# Altium PCB Fastino-DIOT.PCBDOC (part 2 of 22)
Units mm, origin at the board's own origin, x right, y up, seen from the top; angles counter-clockwise.
Board outline 222.63 x 100.1 mm, 8 copper layers (L1, L2, L3, P4, L5, L6, P7, L8), stack 1.563 mm thick; 1030 components, 787 nets, 3312 pads, 2498 vias.
Unrouted connection lines stored in the file: 424.
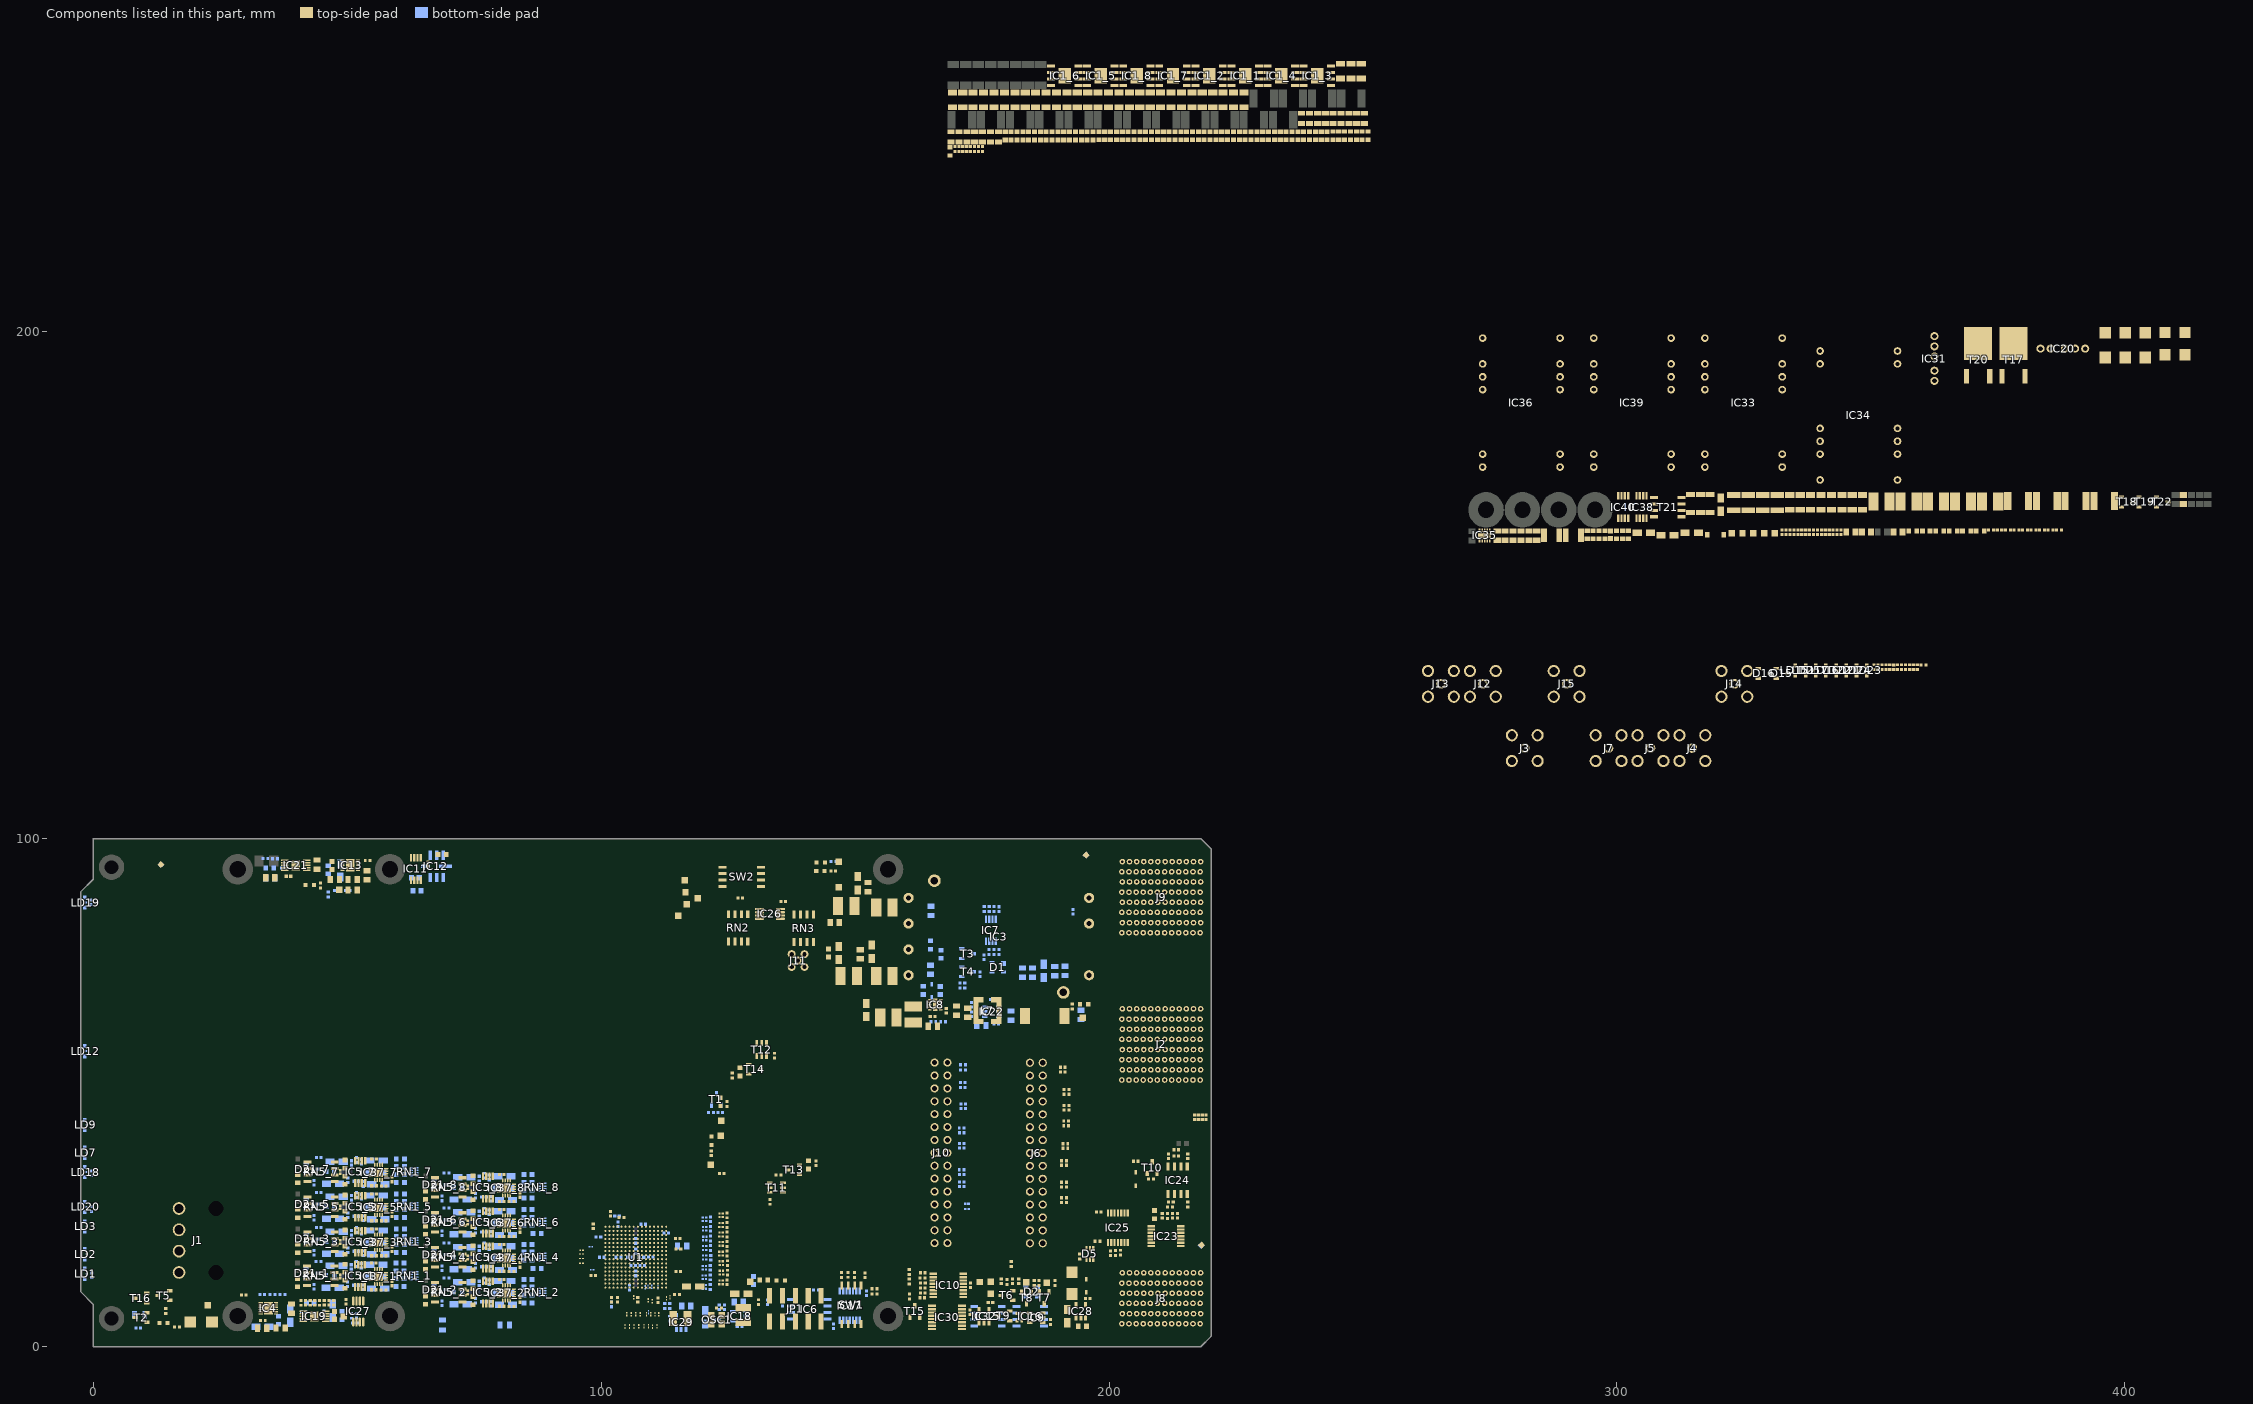
[diagram p8: the components of this part, seen from the top]

## Components (designator, comment, footprint, x,y, rotation, side; value= is the part's Value field where it differs from the comment) (continued)
C129 "4.7uF" CAPC1608X80N 360.932,160.635 r0 top
C130 "4.7uF" CAPMP3216X180N 305.33,160.285 r180 top
C131 "4.7uF" CAPC1005X55N 375.377,160.825 r180 top
C132 "470nF" CAPC4532X185N 390.343,166.537 r0 top
C133 "470nF" CAPC4532X185N 379.039,166.537 r0 top
C134 "10uF" CAPMP6032X280N 400.15,197.213 r90 top
C135 "47uF" CAPC3225X270N 325.913,166.212 r90 top
C136 "4.7nF" CAPC2012X135N 276.467,159.71 r90 top
C137 "47uF" CAPC3225X270N 323.061,166.212 r90 top
C138_1 "10uF" CAPMP3216X180N 56.054,11.445 r180 bottom (schematic designator C138)
C138_2 "10uF" CAPMP3216X180N 81.259,8.204 r180 bottom (schematic designator C138)
C138_3 "10uF" CAPMP3216X180N 56.108,18.164 r180 bottom (schematic designator C138)
C138_4 "10uF" CAPMP3216X180N 81.259,15.091 r180 bottom (schematic designator C138)
C138_5 "10uF" CAPMP3216X180N 56.108,25.05 r180 bottom (schematic designator C138)
C138_6 "10uF" CAPMP3216X180N 81.259,21.977 r180 bottom (schematic designator C138)
C138_7 "10uF" CAPMP3216X180N 56.108,31.937 r180 bottom (schematic designator C138)
C138_8 "10uF" CAPMP3216X180N 81.259,28.864 r180 bottom (schematic designator C138)
C139 "10uF" CAPC1608X80N 42.697,8.56 r0 bottom
C140 "10uF" CAPC1608X80N 47.477,6.126 r90 top
C141 "10uF" CAPMP3216X180N 47.125,7.052 r90 bottom
C142_1 "100nF" CAPC1005X55N 53.086,11.666 r90 bottom (schematic designator C142)
C142_2 "100nF" CAPC1005X55N 78.292,8.425 r90 bottom (schematic designator C142)
C142_3 "100nF" CAPC1005X55N 53.141,18.384 r90 bottom (schematic designator C142)
C142_4 "100nF" CAPC1005X55N 78.292,15.312 r90 bottom (schematic designator C142)
C142_5 "100nF" CAPC1005X55N 53.141,25.271 r90 bottom (schematic designator C142)
C142_6 "100nF" CAPC1005X55N 78.292,22.198 r90 bottom (schematic designator C142)
C142_7 "100nF" CAPC1005X55N 53.137,32.029 r90 bottom (schematic designator C142)
C142_8 "100nF" CAPC1005X55N 78.292,29.085 r90 bottom (schematic designator C142)
C143_1 "100nF" CAPC1005X55N 52.73,15.893 r90 bottom (schematic designator C143)
C143_2 "100nF" CAPC1005X55N 77.936,12.652 r90 bottom (schematic designator C143)
C143_3 "100nF" CAPC1005X55N 52.785,22.612 r90 bottom (schematic designator C143)
C143_4 "100nF" CAPC1005X55N 77.936,19.539 r90 bottom (schematic designator C143)
C143_5 "100nF" CAPC1005X55N 52.785,29.498 r90 bottom (schematic designator C143)
C143_6 "100nF" CAPC1005X55N 77.936,26.426 r90 bottom (schematic designator C143)
C143_7 "100nF" CAPC1005X55N 52.785,36.385 r90 bottom (schematic designator C143)
C143_8 "100nF" CAPC1005X55N 77.936,33.312 r90 bottom (schematic designator C143)
C144 "4.7nF" CAPC2012X135N 278.02,159.71 r90 top
C145 "100nF" CAPC1005X55N 340.296,160.375 r90 top
C146 "22uF" CAPC2012X135N 279.572,159.71 r90 top
C147 "100nF" CAPC1005X55N 341.068,160.375 r90 top
C148 "22uF" CAPC2012X135N 281.124,159.71 r90 top
C149 "1uF" CAPC1608X87N 63.729,89.764 r180 bottom
C150 "10uF" CAPMP6032X280N 404.076,197.213 r90 top
C151 "47uF" CAPC3225X270N 287.157,159.785 r0 top
C152 "100nF" CAPC1005X55N 49.759,8.814 r90 top
C153 "4.7nF" CAPC2012X135N 284.229,159.71 r90 top
C154_1 "100nF" CAPC1005X55N 50.775,15.665 r270 bottom (schematic designator C154)
C154_2 "100nF" CAPC1005X55N 75.98,12.424 r270 bottom (schematic designator C154)
C154_3 "100nF" CAPC1005X55N 50.829,22.383 r270 bottom (schematic designator C154)
C154_4 "100nF" CAPC1005X55N 75.98,19.31 r270 bottom (schematic designator C154)
C154_5 "100nF" CAPC1005X55N 50.829,29.27 r270 bottom (schematic designator C154)
C154_6 "100nF" CAPC1005X55N 75.98,26.197 r270 bottom (schematic designator C154)
C154_7 "100nF" CAPC1005X55N 50.829,36.156 r270 bottom (schematic designator C154)
C154_8 "100nF" CAPC1005X55N 75.98,33.084 r270 bottom (schematic designator C154)
C155 "22uF" CAPC2012X135N 51.04,91.999 r180 top
C156 "10uF" CAPMP6032X280N 396.224,197.213 r90 top
C157 "47uF" CAPC3225X270N 331.618,166.212 r90 top
C158 "4.7nF" CAPC2012X135N 282.677,159.71 r90 top
C159 "100nF" CAPC1005X55N 338.751,160.375 r90 top
C163 "470nF" CAPC4532X185N 384.691,166.537 r0 top
C164 "470nF" CAPC4532X185N 395.996,166.537 r0 top
C167 "10uF" CAPC1608X80N 63.41,92.329 r0 bottom
C169 "100nF" CAPC1005X55N 339.523,160.375 r90 top
C170 "100nF" CAPC1005X55N 354.537,133.809 r90 top
C257 "1uF" CAPC1005X55N 127.25,4 r180 bottom
C258 "10uF" CAPC2012X135N 127.1,8.75 r180 bottom
D1 "PRTR5V0U2X" SOT190P230X110-4N 178.086,74.713 r180 bottom
D2 "PRTR5V0U2X" SOT190P230X110-4N 184.75,10.75 r180 bottom
D3 "BAT165" SOD2512X110N 205.25,33 r90 top
D4 "BAT165" SOD2512X110N 165.136,70.063 r270 bottom
D5 "PESD3V3L5UY" SOT65P210X110-6N 196.25,18.25 r270 top
D6 "P6SMB33A" DIOM5436X261N 411.878,197.538 r90 top
D7 "BAT165" SOD2512X110N 195.5,12 r270 top
D8 "SMBJ12A" DIOM5336X265N 192.75,12.5 r270 top
D9 "SMBJ12A" DIOM5336X265N 21.184,4.877 r0 top
D10 "P6SMB33A" DIOM5436X261N 407.927,197.538 r90 top
D11 "BZV55-B8V2" DIOMELF3515N 316.455,166.037 r90 top
D12 "BZV55-B8V2" DIOMELF3515N 318.357,166.037 r90 top
D13 "BZV55-B8V2" DIOMELF3515N 314.553,166.037 r90 top
D14 "PMEG6020ER" SODFL3517X110N 319.445,159.895 r0 top
D15 "BZX84C4V7" SOT95P240X130-3N 332.531,132.57 r0 top
D16 "BZX84C4V7" SOT95P240X130-3N 329.029,132.57 r0 top
D21_1 "BAV199" SOT95P240X110-3N 43.012,14.468 r0 bottom (schematic designator D21)
D21_2 "BAV199" SOT95P240X110-3N 68.217,11.227 r0 bottom (schematic designator D21)
D21_3 "BAV199" SOT95P240X110-3N 43.066,21.186 r0 bottom (schematic designator D21)
D21_4 "BAV199" SOT95P240X110-3N 68.217,18.113 r0 bottom (schematic designator D21)
D21_5 "BAV199" SOT95P240X110-3N 43.066,28.073 r0 bottom (schematic designator D21)
D21_6 "BAV199" SOT95P240X110-3N 68.217,25 r0 bottom (schematic designator D21)
D21_7 "BAV199" SOT95P240X110-3N 43.066,34.959 r0 bottom (schematic designator D21)
D21_8 "BAV199" SOT95P240X110-3N 68.217,31.887 r0 bottom (schematic designator D21)
FTG1 "Use only in PCB" FIDUCIAL_TOP_C100-200 13.284,94.894 r90 bottom
FTG2 "Use only in PCB" FIDUCIAL_TOP_S100-200 13.284,94.894 r90 top
FTG3 "Use only in PCB" FIDUCIAL_TOP_S100-200 218.25,20 r90 top
FTG4 "Use only in PCB" FIDUCIAL_TOP_S100-200 218.135,19.939 r90 bottom
FTG5 "Use only in PCB" FIDUCIAL_TOP_S100-200 195.504,96.799 r90 bottom
FTG6 "Use only in PCB" FIDUCIAL_TOP_S100-200 195.504,96.799 r90 top
IC1_1 "OPA455IDDA" SOIC127P600X170-9N-R249X300 226.805,250.263 r0 top (schematic designator IC1)
IC1_2 "OPA455IDDA" SOIC127P600X170-9N-R249X300 219.703,250.263 r0 top (schematic designator IC1)
IC1_3 "OPA455IDDA" SOIC127P600X170-9N-R249X300 241.01,250.263 r0 top (schematic designator IC1)
IC1_4 "OPA455IDDA" SOIC127P600X170-9N-R249X300 233.907,250.263 r0 top (schematic designator IC1)
IC1_5 "OPA455IDDA" SOIC127P600X170-9N-R249X300 198.395,250.263 r0 top (schematic designator IC1)
IC1_6 "OPA455IDDA" SOIC127P600X170-9N-R249X300 191.293,250.263 r0 top (schematic designator IC1)
IC1_7 "OPA455IDDA" SOIC127P600X170-9N-R249X300 212.6,250.263 r0 top (schematic designator IC1)
IC1_8 "OPA455IDDA" SOIC127P600X170-9N-R249X300 205.498,250.263 r0 top (schematic designator IC1)
IC3 "CC10-1212DF-E" CC10-1212DF-E 191.008,69.752 r180 top locked
IC4 "LT3094EDD#PBF" SON45P300X300X80-13N-R175X248 34.445,7.518 r0 top
IC5_1 "OPA2197IDGKR" SOP65P490X110-8N 52.479,13.927 r90 top (schematic designator IC5)
IC5_2 "OPA2197IDGKR" SOP65P490X110-8N 77.684,10.687 r90 top (schematic designator IC5)
IC5_3 "OPA2197IDGKR" SOP65P490X110-8N 52.533,20.646 r90 top (schematic designator IC5)
IC5_4 "OPA2197IDGKR" SOP65P490X110-8N 77.684,17.573 r90 top (schematic designator IC5)
IC5_5 "OPA2197IDGKR" SOP65P490X110-8N 52.533,27.533 r90 top (schematic designator IC5)
IC5_6 "OPA2197IDGKR" SOP65P490X110-8N 77.684,24.46 r90 top (schematic designator IC5)
IC5_7 "OPA2197IDGKR" SOP65P490X110-8N 52.533,34.419 r90 top (schematic designator IC5)
IC5_8 "OPA2197IDGKR" SOP65P490X110-8N 77.684,31.346 r90 top (schematic designator IC5)
IC6 "AT25SF081B-SHB" SOIC127P790X216-8N 140.989,7.341 r0 bottom
IC7 "LM75AIMM/NOPB" SOP65P490X109-8N 176.735,81.994 r90 bottom
IC8 "TPS62175DQC" SON50P200X300X80-11N-R94X250 165.788,67.332 r180 top
IC9 "24AA02E48T-I/OT" SOT95P280X145-5N 185.687,5.678 r180 top
IC10 "SC18IS602B" SOP65P640X110-16N 168.339,12.054 r180 top
IC11 "LTC6655BHMS8-5#PBF" SOP65P490X110-8N 63.49,94.072 r90 top
IC12 "LTC6655BHLS8-5#PBF" 8-CLCC 67.342,94.576 r180 bottom
IC13 "LT3045EDD#PBF" SON50P300X300X80-11N-R175X248 50.566,94.785 r180 top
IC15 "24AA02E48-I/SN" SOIC127P600X175-8N 176.171,5.999 r180 bottom
IC16 "24AA02E48-I/SN" SOIC127P600X175-8N 184.5,6 r180 bottom
IC17 "74HC4066PW" SOP65P640X110-14N 148.946,8.052 r270 bottom
IC18 "TLV62565DBVT" SOT95P280X145-5N 127.25,6 r180 bottom
IC19 "LT3042EMSE#PBF" SOP50P490X110-11N-R168X198 43.514,5.948 r0 top
IC20 "TRN 3-1215" DCDC_TRACO_TRN3 387.849,196.689 r0 top
IC21 "LT3042EMSE#PBF" SOP50P490X110-11N-R168X198 39.84,94.785 r180 top
IC22 "AP62201WU-7" SOT95P280X100-6N 176.906,65.966 r180 bottom
IC23 "74HC4066PW" SOP65P640X110-14N 211.25,21.75 r180 top
IC24 "TLC555ID" SOIC127P600X175-8N 213.5,32.75 r90 top
IC25 "74HC4066PW" SOP65P640X110-14N 201.75,23.4 r90 top
IC26 "ADA4528-2ARMZ-RL" ADI-RM-8_N 133.223,85.217 r0 top
IC27 "ADA4528-2ARMZ-RL" ADI-RM-8_N 52.135,6.914 r90 top
IC28 "MIC5219-3.3YM5" SOT95P280X145-5N 194.45,6.95 r90 top
IC29 "TLV62565DBVT" SOT95P280X145-5N 115.75,4.75 r90 bottom
IC30 "SC18IS606PWJ" SOP65P640X110-16N 168.097,5.74 r0 top
IC31 "TRN 3-1215" DCDC_TRACO_TRN3 362.416,194.589 r90 top
IC32 "24AA02E48T-I/OT" SOT95P280X145-5N 175.385,5.952 r90 top
IC33 "R12-100B" DCDC_RECOM_Rxx-B 324.965,184.639 r90 top
IC34 "R12-100B" DCDC_RECOM_Rxx-B 347.666,184.639 r270 top
IC35 "TPS62175DQC" SON50P200X300X80-11N-R94X250 273.966,159.735 r90 top
IC36 "R12-100B" DCDC_RECOM_Rxx-B 281.213,184.639 r90 top
IC37_1 "AD5542ABCPZ-REEL7" QFN50P300X300X80-17N-S175 56.105,13.816 r90 top (schematic designator IC37)
IC37_2 "AD5542ABCPZ-REEL7" QFN50P300X300X80-17N-S175 81.31,10.575 r90 top (schematic designator IC37)
IC37_3 "AD5542ABCPZ-REEL7" QFN50P300X300X80-17N-S175 56.159,20.535 r90 top (schematic designator IC37)
IC37_4 "AD5542ABCPZ-REEL7" QFN50P300X300X80-17N-S175 81.31,17.462 r90 top (schematic designator IC37)
IC37_5 "AD5542ABCPZ-REEL7" QFN50P300X300X80-17N-S175 56.159,27.421 r90 top (schematic designator IC37)
IC37_6 "AD5542ABCPZ-REEL7" QFN50P300X300X80-17N-S175 81.31,24.349 r90 top (schematic designator IC37)
IC37_7 "AD5542ABCPZ-REEL7" QFN50P300X300X80-17N-S175 56.159,34.308 r90 top (schematic designator IC37)
IC37_8 "AD5542ABCPZ-REEL7" QFN50P300X300X80-17N-S175 81.31,31.235 r90 top (schematic designator IC37)
IC38 "LM75AIMM/NOPB" SOP65P490X109-8N 304.874,165.337 r90 top
IC39 "R12-100B" DCDC_RECOM_Rxx-B 303.089,184.639 r90 top
IC40 "LM75AIMM/NOPB" SOP65P490X109-8N 301.273,165.337 r90 top
J1 "Mini-Fit Jr.™" MOLEX_39-30-3045 16.855,20.9 r270 top locked
J2 "P4" AMPHENOL_10052837-101LF 210.289,59.5 r90 top locked
J3 "SMC" JOHNSON_131-6701-341 281.876,117.86 r90 top
J4 "SMC" JOHNSON_131-6701-341 314.895,117.86 r90 top
J5 "SMC" JOHNSON_131-6701-341 306.64,117.86 r90 top
J6 "" 3M_N2530-6002RB 185.687,38.121 r270 top locked
J7 "SMC" JOHNSON_131-6701-341 298.386,117.86 r90 top
J8 "P1" AMPHENOL_10052825-101LF 210.289,9.5 r90 top locked
J9 "P6" AMPHENOL_10052838-101LF 210.289,88.5 r90 top locked
J10 "" 3M_N2530-6002RB 166.916,38.146 r270 top locked
J11 "MMCX" SAMTEC_MMCX-J-P-H-ST-TH1 138.76,76.022 r0 top
J12 "SMC" JOHNSON_131-6701-341 273.621,130.518 r270 top
J13 "SMC" JOHNSON_131-6701-341 265.366,130.518 r270 top
J14 "SMC" JOHNSON_131-6701-341 323.15,130.518 r270 top
J15 "SMC" JOHNSON_131-6701-341 290.131,130.518 r270 top
JP1 "PLTD10S" PLTD10S 143.31,10.009 r180 top
L1 "2.2uH" IND_MURATA_LQH44PN_P0 115.6,5.505 r0 top
L2_1 "600R@100MHz" INDC1005X55N 44.323,16.739 r0 bottom (schematic designator L2)
L2_2 "600R@100MHz" INDC1005X55N 69.529,13.498 r0 bottom (schematic designator L2)
L2_3 "600R@100MHz" INDC1005X55N 44.378,23.457 r0 bottom (schematic designator L2)
L2_4 "600R@100MHz" INDC1005X55N 69.529,20.384 r0 bottom (schematic designator L2)
L2_5 "600R@100MHz" INDC1005X55N 44.378,30.344 r0 bottom (schematic designator L2)
L2_6 "600R@100MHz" INDC1005X55N 69.529,27.271 r0 bottom (schematic designator L2)
L2_7 "600R@100MHz" INDC1005X55N 44.378,37.23 r0 bottom (schematic designator L2)
L2_8 "600R@100MHz" INDC1005X55N 69.529,34.158 r0 bottom (schematic designator L2)
L3 "10uH" IND_MURATA-PS_8400 161.463,65.407 r270 top
L4 "10uH" IND_MURATA-PS_8400 156.54,64.795 r180 top
L5 "4.7uH" IND_BOURNS_SRU8043 187.325,65.126 r180 top
L6 "4.7uH" INDC2012X145N 411.583,166.812 r90 top
L7 "3.3uH" IND_WURTH_WE-TPC_4828 176.055,66.159 r180 top
L8 "4.7uH" INDC2012X145N 349.198,160.41 r0 top
L9 "4.7uH" INDC2012X145N 346.095,160.41 r0 top
L10 "10uH" IND_MURATA-PS_8400 155.75,73 r180 top
L11 "10uH" IND_MURATA-PS_8400 148.75,73 r180 top
L12 "10uH" IND_MURATA-PS_8400 155.766,86.482 r180 top
L13 "10uH" IND_MURATA-PS_8400 148.25,86.75 r180 top
L14 "4.7uH" INDC2012X145N 355.402,160.41 r0 top
L15 "2.2uH" IND_MURATA_LQH44PN_P0 127.991,6.22 r90 top
L16_1 "600R@100MHz" INDC1005X55N 51.686,12.065 r0 bottom (schematic designator L16)
L16_2 "600R@100MHz" INDC1005X55N 76.892,8.824 r0 bottom (schematic designator L16)
L16_3 "600R@100MHz" INDC1005X55N 51.741,18.784 r0 bottom (schematic designator L16)
L16_4 "600R@100MHz" INDC1005X55N 76.892,15.711 r0 bottom (schematic designator L16)
L16_5 "600R@100MHz" INDC1005X55N 51.741,25.67 r0 bottom (schematic designator L16)
L16_6 "600R@100MHz" INDC1005X55N 76.892,22.597 r0 bottom (schematic designator L16)
L16_7 "600R@100MHz" INDC1005X55N 51.741,32.557 r0 bottom (schematic designator L16)
L16_8 "600R@100MHz" INDC1005X55N 76.892,29.484 r0 bottom (schematic designator L16)
L17 "10uH" IND_MURATA-PS_8400 352.127,166.438 r0 top
L18_1 "600R@100MHz" INDC1005X55N 43.409,11.76 r90 bottom (schematic designator L18)
L18_2 "600R@100MHz" INDC1005X55N 68.614,8.519 r90 bottom (schematic designator L18)
L18_3 "600R@100MHz" INDC1005X55N 43.463,18.479 r90 bottom (schematic designator L18)
L18_4 "600R@100MHz" INDC1005X55N 68.614,15.406 r90 bottom (schematic designator L18)
L18_5 "600R@100MHz" INDC1005X55N 43.463,25.365 r90 bottom (schematic designator L18)
L18_6 "600R@100MHz" INDC1005X55N 68.614,22.293 r90 bottom (schematic designator L18)
L18_7 "600R@100MHz" INDC1005X55N 43.463,32.252 r90 bottom (schematic designator L18)
L18_8 "600R@100MHz" INDC1005X55N 68.614,29.179 r90 bottom (schematic designator L18)
L19 "10uH" IND_MURATA-PS_8400 357.479,166.438 r0 top
L20 "10uH" IND_MURATA-PS_8400 373.536,166.438 r0 top
L21 "10uH" IND_MURATA-PS_8400 362.831,166.438 r0 top
L22 "10uH" IND_MURATA-PS_8400 368.184,166.438 r0 top
LD1 "Green" LED_AVAGO_HSME-C120 -1.676,14.33 r270 bottom locked
LD2 "Green" LED_AVAGO_HSME-C120 -1.676,18.191 r270 bottom locked
LD3 "Green" LED_AVAGO_HSME-C120 -1.676,23.652 r270 bottom locked
LD4 "Green" LED_KINGBRIGHT_KPH-1608CGCK 195.087,67.417 r180 top
LD5 "Green" LED_KINGBRIGHT_KPH-1608CGCK 42.616,90.905 r0 top
LD6 "Green" LED_KINGBRIGHT_KPH-1608CGCK 13.792,4.674 r180 top
LD7 "Green" LED_AVAGO_HSME-C120 -1.676,38.17 r270 bottom locked
LD8 "Green" LED_KINGBRIGHT_KPH-1608CGCK 143.166,93.654 r0 top
LD9 "Green" LED_AVAGO_HSME-C120 -1.676,43.64 r270 bottom locked
LD10 "Green" LED_KINGBRIGHT_KPH-1608CGCK 121.723,40.561 r270 top
LD11 "Green" LED_KINGBRIGHT_KPH-1608CGCK 143.226,95.373 r0 top
LD12 "Green" LED_AVAGO_HSME-C120 -1.676,58.17 r270 bottom locked
LD13 "Green" LED_KINGBRIGHT_KPH-1608CGCK 135.324,13.03 r180 top
LD14 "Green" LED_KINGBRIGHT_KPH-1608CGCK 123.511,48.176 r270 top
LD15 "Green" LED_AVAGO_HSME-C120 335.183,133.169 r270 top
LD16 "Green" LED_AVAGO_HSME-C120 341.185,133.169 r270 top
LD17 "Green" LED_AVAGO_HSME-C120 339.184,133.169 r270 top
LD18 "Green" LED_AVAGO_HSME-C120 -1.676,34.362 r270 bottom locked
LD19 "Red" LED_AVAGO_HSMC-C120 -1.676,87.439 r270 bottom locked
LD20 "Red" LED_AVAGO_HSMC-C120 -1.676,27.497 r270 bottom locked
LD21 "Green" LED_AVAGO_HSME-C120 345.212,133.169 r90 top
LD22 "Green" LED_AVAGO_HSME-C120 343.211,133.169 r90 top
LD23 "Green" LED_AVAGO_HSME-C120 349.213,133.169 r90 top
LD24 "Green" LED_AVAGO_HSME-C120 347.212,133.169 r90 top
LD25 "Green" LED_AVAGO_HSME-C120 337.208,133.169 r90 top
OSC1 "25MHz" OSC_IQD_CFPS-39 122.71,5.305 r90 top
R1 "0" RESC1005X40N 47.32,8.636 r90 top
R2_1 "30" RESC1608X55N 40.174,12.601 r270 top (schematic designator R2)
R2_2 "30" RESC1608X55N 65.43,9.106 r270 top (schematic designator R2)
R2_3 "30" RESC1608X55N 40.229,19.319 r270 top (schematic designator R2)
R2_4 "30" RESC1608X55N 65.43,15.993 r270 top (schematic designator R2)
R2_5 "30" RESC1608X55N 40.229,26.206 r270 top (schematic designator R2)
R2_6 "30" RESC1608X55N 65.43,22.879 r270 top (schematic designator R2)
R2_7 "30" RESC1608X55N 40.229,33.092 r270 top (schematic designator R2)
R2_8 "30" RESC1608X55N 65.43,29.766 r270 top (schematic designator R2)
R3 "0" RESC1005X40N 197.72,20.75 r0 top
R4 "0" RESC1005X40N 45.456,8.632 r90 top
R5 "0" RESC1005X40N 44.483,8.611 r90 top
R6 "0" RESC1005X40N 43.566,8.611 r90 top
R7 "Undefined" RESC1608X55N 166.93,77.293 r270 bottom
R8 "0" RESC1005X40N 192.913,85.634 r270 bottom
R9_1 "1k47" RESC1608X55N 49.521,15.445 r270 top (schematic designator R9)
R9_2 "1k47" RESC1608X55N 74.727,12.205 r270 top (schematic designator R9)
R9_3 "1k47" RESC1608X55N 49.576,22.164 r270 top (schematic designator R9)
R9_4 "1k47" RESC1608X55N 74.727,19.091 r270 top (schematic designator R9)
R9_5 "1k47" RESC1608X55N 49.576,29.051 r270 top (schematic designator R9)
R9_6 "1k47" RESC1608X55N 74.727,25.978 r270 top (schematic designator R9)
R9_7 "1k47" RESC1608X55N 49.576,35.937 r270 top (schematic designator R9)
R9_8 "1k47" RESC1608X55N 74.727,32.864 r270 top (schematic designator R9)
R10 "0" RESC1005X40N 42.68,8.611 r90 top
R11_1 "1k69" RESC1608X55N 49.521,12.271 r270 top (schematic designator R11)
R11_2 "1k69" RESC1608X55N 74.727,9.03 r270 top (schematic designator R11)
R11_3 "1k69" RESC1608X55N 49.576,18.989 r270 top (schematic designator R11)
R11_4 "1k69" RESC1608X55N 74.727,15.916 r270 top (schematic designator R11)
R11_5 "1k69" RESC1608X55N 49.576,25.876 r270 top (schematic designator R11)
R11_6 "1k69" RESC1608X55N 74.727,22.803 r270 top (schematic designator R11)
R11_7 "1k69" RESC1608X55N 49.576,32.762 r270 top (schematic designator R11)
R11_8 "1k69" RESC1608X55N 74.727,29.69 r270 top (schematic designator R11)
R12 "0" RESC1005X40N 41.791,8.636 r90 top
R13 "0" RESC1005X40N 172.733,12.066 r90 top
R14 "0" RESC1005X40N 40.869,8.611 r90 top
R15 "0" RESC1005X40N 163.322,10.541 r180 top
R16_1 "0" RESC1608X55N 242.947,238.455 r90 top (schematic designator R16)
R16_2 "0" RESC1608X55N 237.185,238.455 r90 top (schematic designator R16)
R16_3 "0" RESC1608X55N 238.338,238.455 r90 top (schematic designator R16)
R16_4 "0" RESC1608X55N 239.49,238.455 r90 top (schematic designator R16)
R16_5 "0" RESC1608X55N 219.9,238.455 r90 top (schematic designator R16)
R16_6 "0" RESC1608X55N 221.052,238.455 r90 top (schematic designator R16)
R16_7 "0" RESC1608X55N 222.204,238.455 r90 top (schematic designator R16)
R16_8 "0" RESC1608X55N 216.442,238.455 r90 top (schematic designator R16)
R17 "33k" RESC1005X40N 134.9,33.8 r180 top
R18 "75k" RESC1005X40N 37.22,10.25 r180 bottom
R19 "36k" RESC1608X55N 164.811,79.088 r270 bottom
R20 "10k" RESC1005X40N 192.761,66.98 r270 top
R21 "10k" RESC1005X40N 44.703,90.818 r90 top
R22 "1k" RESC1005X40N 33.25,10.25 r180 bottom
R23 "33k" RESC1005X40N 134.1,57.3 r90 top
R24 "33k" RESC1005X40N 165.408,63.982 r180 bottom
R25 "120k" RESC1608X55N 46.235,93.904 r90 bottom
R26 "330" RESC1005X40N 54,95.758 r180 top
R27 "10k" RESC1005X40N 33.363,5.156 r180 top
R28 "5k1" RESC1005X40N 167.333,63.982 r180 bottom
R29 "2k4" RESC1005X40N 145.681,93.654 r180 top
R30 "240" RESC1005X40N -0.5,87.5 r270 bottom
R31 "2k2" RESC1005X40N 148.615,14.122 r270 top
R32 "120k" RESC1608X55N 36.462,5.16 r90 bottom
R33 "1k" RESC1005X40N 149.911,14.097 r270 top
R34_1 "100k" RESC1608X55N 217.595,238.455 r90 top (schematic designator R34)
R34_2 "100k" RESC1608X55N 218.747,238.455 r90 top (schematic designator R34)
R34_3 "100k" RESC1608X55N 226.814,238.455 r90 top (schematic designator R34)
R34_4 "100k" RESC1608X55N 227.966,238.455 r90 top (schematic designator R34)
R34_5 "100k" RESC1608X55N 229.119,238.455 r90 top (schematic designator R34)
R34_6 "100k" RESC1608X55N 223.357,238.455 r90 top (schematic designator R34)
R34_7 "100k" RESC1608X55N 224.509,238.455 r90 top (schematic designator R34)
R34_8 "100k" RESC1608X55N 225.661,238.455 r90 top (schematic designator R34)
R35 "1k" RESC1005X40N 151.943,14.046 r270 top
R36 "2k2" RESC1005X40N 123.749,34.088 r0 top
R37 "120" RESC1005X40N 121.551,19.399 r270 bottom
R38 "1k" RESC1005X40N 35.25,10.25 r180 bottom
R39 "2k2" RESC1005X40N 160.655,14.707 r90 top